# Altium PCB Control Panel PCB v2.PcbDoc (part 2 of 3)
Units mm, origin at the board's own origin, x right, y up, seen from the top; angles counter-clockwise.
Board outline 270.04 x 103.81 mm, 2 copper layers (Top Layer, Bottom Layer); 322 components, 214 nets, 925 pads, 431 vias.
Unrouted connection lines stored in the file: 76.
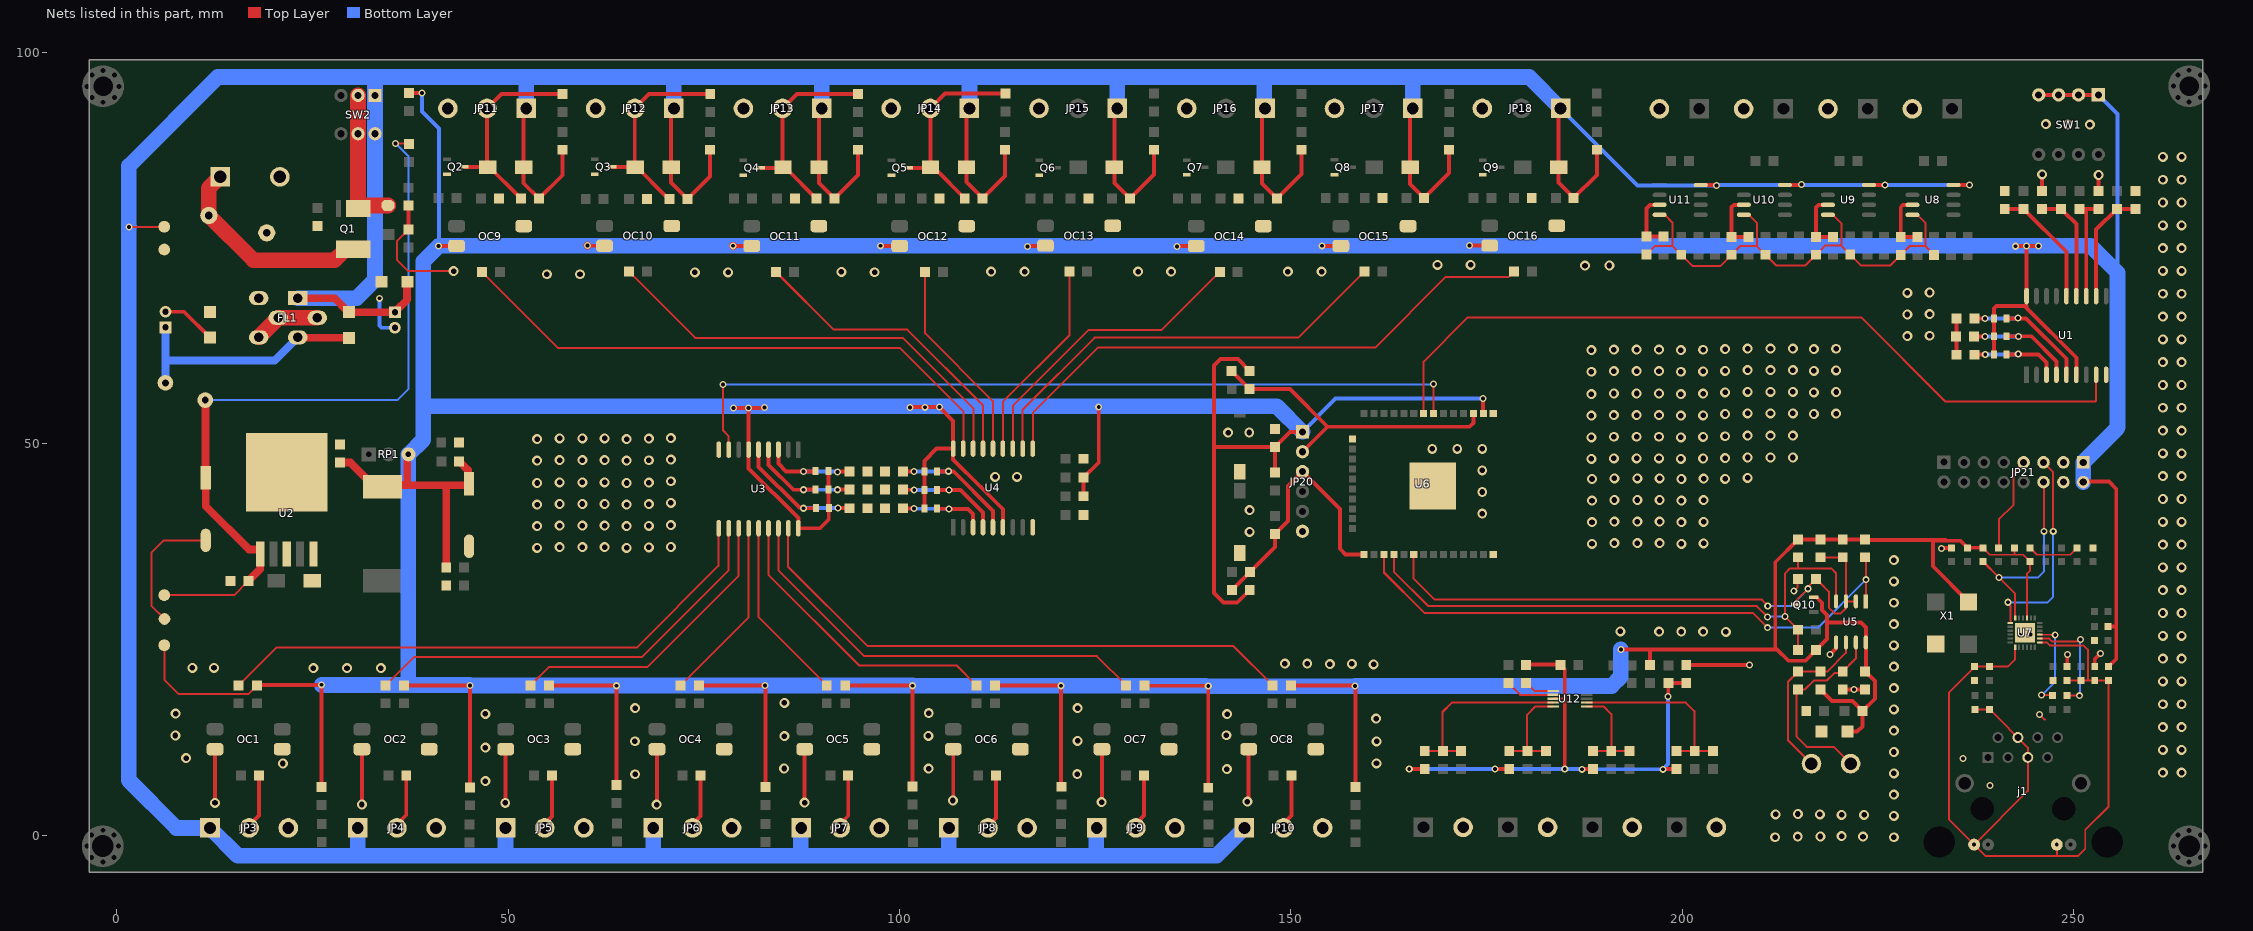
[diagram p2: the nets of this part, all layers, seen from the top]

## Via types
v1: diameter 1.27, hole 0.711, Top Layer to Bottom Layer, tented both sides, 304 vias
v2: diameter 0.9, hole 0.5, Top Layer to Bottom Layer, tented both sides, 127 vias

## Nets (pads, with @x,y where several pads share a name; then routed paths per layer and width w, separated by ;. In a path a pad name is that pad's centre, name@x,y a point inside that pad or via, vN(x,y) a via of type N, cw(c..) or ccw(c..) an arc to the next point about the centre after c; other vN are vias at no path point)
24V: C3.2 D1.2 D2.2 D3.2 D4.2 D5.2 D6.2 D7.2 D8.2 E4.1 FB1.2 FL1.1 JP3.1 JP4.1 JP5.1 JP6.1 JP7.1 JP8.1 JP9.1 JP10.1 JP11.1 JP12.1 JP13.1 JP14.1 JP15.1 JP16.1 JP17.1 JP18.1 R50.2 R51.2 R58.1 R59.1 R60.2 R63.2 R70.1 R71.1 R72.2 R75.2 R83.1 R84.1 R85.2 R88.2 R93.1 R94.1 SW2.1 SW2.6 TP3.1 U8.8 U9.8 U10.8 U11.8 | length 747.6
  Top Layer w0.254: v2(1.562,77.711) 6.058,77.711 TP3.1@6.071,77.724
  Top Layer w0.5: JP11.1@52.299,92.837 51.982,92.521 D1.2@51.982,85.319 51.982,83.273 R58.1@53.95,81.305 56.947,84.303 R50.2@56.947,87.554 ; JP12.1@71.178,92.837 70.829,92.488 D2.2@70.829,85.319 70.829,83.349 R59.1@72.898,81.28 75.768,84.15 R51.2@75.768,87.554 ; JP13.1@90.058,92.837 89.727,92.506 D3.2@89.727,85.319 89.727,83.298 R70.1@91.694,81.331 94.691,84.328 R60.2@94.691,87.554 ; JP14.1@108.937,92.837 108.574,92.474 D4.2@108.574,85.319 108.574,83.425 110.232,81.767 110.232,81.716 110.315,81.633 R71.1@110.366,81.633 ; R71.1@110.617,81.331 113.487,84.201 R63.2@113.487,87.554 ; JP15.1@127.816,92.837 127.446,92.466 D5.2@127.446,85.319 127.446,83.298 129.053,81.69 R83.1@129.163,81.581 ; R83.1@129.438,81.305 132.512,84.379 R72.2@132.512,87.554 ; JP16.1@146.696,92.837 146.293,92.434 D6.2@146.293,85.319 146.293,83.247 R84.1@148.209,81.331 151.333,84.455 R75.2@151.333,87.554 ; JP17.1@165.575,92.837 165.241,92.503 D7.2@165.241,85.319 165.241,83.197 R93.1@167.03,81.407 170.205,84.582 R85.2@170.205,87.554 ; JP18.1@184.455,92.837 184.215,92.597 D8.2@184.215,85.319 184.215,83.374 185.746,81.843 185.746,81.767 R94.1@185.868,81.645 ; R94.1@186.131,81.382 189.103,84.353 R88.2@189.103,87.554 ; U11.8@202.362,83.058 202.371,83.048 204.327,83.048 v2(204.368,83.007) ; U10.8@213.115,83.058 213.124,83.068 215.198,83.068 v2(215.24,83.109) ; U9.8@223.859,83.058 223.869,83.048 225.892,83.048 v2(225.908,83.033) ; U8.8@234.654,83.058 v2(236.703,83.058)
  Top Layer w1: FL1.1@23.081,68.573 27.834,68.573 29.318,67.089 29.38,67.089 29.606,66.864 29.606,66.802 35.482,66.802 35.49,66.794 35.517,66.794 35.785,67.061 35.785,67.088 37.091,68.394 C3.2@37.091,70.671
  Bottom Layer w0.5: JP18.1@184.455,92.837 194.285,83.007 v2(204.368,83.007) ; v2@204.394,83.033 v2(225.908,83.033) v2@236.677,83.033
  Bottom Layer w2: FL1.1@23.125,68.591 30.643,68.591 33,70.948 SW2.6@33,89.6 33,96.85 ; JP4.1@30.792,0.914 30.785,0.907 30.785,-2.642 ; JP5.1@49.672,0.914 49.657,0.9 49.657,-2.642 ; JP11.1@52.299,92.837 52.299,96.774 52.222,96.85 ; JP6.1@68.551,0.914 68.551,-2.62 68.529,-2.642 ; JP12.1@71.178,92.837 71.178,96.614 70.942,96.85 ; JP7.1@87.43,0.914 87.401,0.885 87.401,-2.642 ; JP13.1@90.058,92.837 90.058,96.85 ; JP8.1@106.31,0.914 106.31,-2.642 ; JP14.1@108.937,92.837 108.937,96.389 109.398,96.85 ; JP9.1@125.189,0.914 125.146,0.871 125.146,-2.642 ; JP15.1@127.816,92.837 127.816,96.447 128.219,96.85 ; JP10.1@144.069,0.914 140.513,-2.642 125.146,-2.642 ; JP16.1@146.696,92.837 146.609,92.924 146.609,96.85 ; JP17.1@165.575,92.837 165.575,96.73 165.456,96.85 ; JP18.1@184.455,92.837 180.442,96.85 165.456,96.85 ; 30.785,-2.642 49.657,-2.642 ; 30.785,-2.642 15.469,-2.642 JP3.1@11.913,0.914 7.62,0.914 1.524,7.01 1.524,77.673 v2(1.562,77.711) 1.549,77.724 1.549,85.496 12.903,96.85 33,96.85 ; 33,96.85 52.222,96.85 ; 49.657,-2.642 68.529,-2.642 ; 52.222,96.85 70.942,96.85 ; 68.529,-2.642 87.401,-2.642 ; 70.942,96.85 90.058,96.85 ; 87.401,-2.642 106.31,-2.642 ; 90.058,96.85 109.398,96.85 ; 106.31,-2.642 125.146,-2.642 ; 109.398,96.85 128.219,96.85 ; 128.219,96.85 146.609,96.85 ; 146.609,96.85 165.456,96.85
24VIN: JP2.1 Q1.5-8 RU1.2 | length 27
  Top Layer w2: JP2.1@13.203,84.099 11.76,82.657 RU1.2@11.76,79.146 17.45,73.457 27.854,73.457 29.026,74.628 29.026,74.745 29.126,74.845 Q1.5-8@30.226,74.845
24VSwitch: Q1.1-3 SW2.2 SW2.5 Z1.2 | length 18.4
  Top Layer w2: SW2.2@30.827,94.497 30.827,89.005 30.827,80.443 30.827,80.079 Q1.1-3@30.861,80.045 31.259,80.443 Z1.2@34.646,80.443
485_A: JP19.2 R100.2 R101.1 U5.6 | length 22
  Top Layer w0.254: JP19.2@216.51,9.119 213.512,12.116 213.512,19.577 R100.2@214.814,20.879 R101.1@217.66,20.879 217.67,20.889 218.527,20.889 220.915,23.278 U5.6@220.915,24.611
485_B: JP19.1 R99.2 R100.1 U5.7 | length 25.5
  Top Layer w0.254: JP19.1@221.51,9.119 219.351,11.278 215.9,11.278 214.579,12.598 214.579,18.358 214.824,18.603 215.682,18.603 216.84,19.761 218.491,19.761 219.431,20.701 220.327,20.701 222.185,22.559 U5.7@222.185,24.611
485_DE: Q10.3 R96.1 R97.1 R105.2 U5.2 U5.3 U6.30 | length 78.4
  Top Layer w0.254: U6.30@165.636,35.919 165.636,32.804 168.367,30.074 210.16,30.074 v2@211.046,29.188 ; Q10.3@214.507,29.436 214.525,29.454 214.525,29.918 216.201,31.594 216.201,31.844 R105.2@217.093,32.736 217.601,32.228 218.719,31.109 218.719,29.058 219.456,28.321 220.243,28.321 220.858,28.936 220.858,29.804 U5.3@220.915,29.861 ; R97.1@217.66,35.493 R96.1@220.505,35.493 220.915,35.083 U5.3@220.915,29.861 ; U5.2@222.185,29.861 U5.3@220.915,29.861
  Bottom Layer w0.254: v2(210.922,29.261) 213.868,29.261 v2(216.078,31.471)
485_DI: R98.1 R102.2 R104.1 U5.4 U6.28 | length 77.5
  Top Layer w0.254: U6.28@163.157,35.843 U6.28@163.17,35.83 ; U6.28@163.17,35.814 163.17,33.671 167.579,29.261 209.525,29.261 v2@211.05,27.735 ; R102.2@214.807,23.636 R104.1@214.807,26.236 v2(213.131,27.911) 213.131,33.426 213.766,34.061 214.814,34.061 ; R98.1@214.814,35.493 214.814,34.061 ; U5.4@219.645,29.861 219.645,33.466 219.05,34.061 214.814,34.061
  Bottom Layer w0.254: v2@210.666,27.906 213.126,27.906 v2(213.131,27.911)
  other v2: 210.896,27.881
485_RO: R95.1 U5.1 U6.27 | length 75.1
  Top Layer w0.254: U6.27@161.887,35.843 U6.27@161.9,35.83 ; U6.27@161.9,35.814 161.9,33.544 167.049,28.394 208.994,28.394 v2(210.896,26.492) ; R95.1@223.35,35.493 223.455,35.388 v2(223.455,32.624) U5.1@223.455,29.861
  Bottom Layer w0.254: v2@210.718,26.518 217.348,26.518 v2(223.455,32.624)
ADDR: R147.2 U12.1 | length 3.9
  Top Layer w0.254: R147.2@180.061,19.456 181.093,18.424 U12.1@183.499,18.424
ADDswitch1: R1.2 R5.1 U1.11 | length 14.6
  Top Layer w0.5: U1.11@252.882,68.855 252.882,77.368 R1.2@255.524,80.01 R5.1@257.912,80.01
ADDswitch2: R4.2 R?.2@250.749,80.01 U1.12 | length 13.6
  Top Layer w0.5: R?.2@250.749,80.01 251.612,80.01 ; U1.12@251.612,68.855 251.612,80.01 ; R4.2@253.187,80.01 251.612,80.01
ADDswitch3: R3.2 R?.2@248.361,80.01 U1.13 | length 14.4
  Top Layer w0.5: R3.2@245.974,80.01 R?.2@248.361,80.01 ; R?.2@248.412,80.01 248.412,79.959 248.746,79.625 248.797,79.625 250.342,78.08 U1.13@250.342,68.855
ADDswitch4: R2.2 R?.2@243.586,80.01 U1.14 | length 15.8
  Top Layer w0.5: R2.2@241.198,80.01 R?.2@243.586,80.01 249.072,74.524 U1.14@249.072,68.855
ALERT: R150.1 U12.2 | length 6.3
  Top Layer w0.254: R150.1@177.775,19.431 179.281,17.924 U12.2@183.499,17.924
AVDD: C9.1 C10.1 C11.1 j1.4 j1.5 j1.9 j1.12 L2.1 R111.1 R112.2 R113.1 R114.2 U7.1 U7.19 | length 111.7
  Top Layer w0.254: R111.1@237.388,16.053 239.249,16.053 R114.2@239.261,16.066 244.145,11.182 j1.5@244.145,9.923 244.145,5.639 j1.9@237.287,-1.219 ; U7.19@242.539,23.987 242.539,22.474 241.592,21.526 R112.2@239.236,21.526 237.376,21.526 C10.1@237.363,21.514 234.086,18.237 234.086,1.981 j1.9@237.287,-1.219 ; U7.1@245.659,24.607 246.589,24.607 246.99,24.206 251.282,24.206 251.809,23.679 251.809,19.774 ; j1.12@247.849,-1.219 247.849,-2.692 ; C11.1@249.142,19.774 R113.1@250.92,19.774 251.809,19.774 ; j1.9@237.287,-1.219 238.76,-2.692 247.849,-2.692 ; 247.849,-2.692 249.859,-2.692 250.52,-2.692 251.485,-1.727 251.485,0.66 254.476,3.651 L2.1@254.476,19.774 C9.1@252.698,19.774 251.809,19.774
CRS_DV: JP21.7 R116.1 | length 12.2
  Top Layer w0.254: R116.1@240.428,36.703 240.462,36.737 240.462,40.335 242.291,42.164 242.291,46.304 JP21.7@243.611,47.625
Din1: JP3.2 R15.2 | length 7.2
  Top Layer w0.5: JP3.2@16.913,0.914 16.913,1.246 18.161,2.494 R15.2@18.161,7.62
Din2: JP4.2 R16.2 | length 7.2
  Top Layer w0.5: JP4.2@35.792,0.914 35.792,1.362 36.982,2.553 R16.2@36.982,7.62
Din3: JP5.2 R23.2 | length 7.1
  Top Layer w0.5: JP5.2@54.672,0.914 54.672,1.456 55.601,2.385 R23.2@55.601,7.62
Din4: JP6.2 R24.2 | length 7.1
  Top Layer w0.5: JP6.2@73.551,0.914 73.551,1.456 74.549,2.454 R24.2@74.549,7.62
Din5: JP7.2 R31.2 | length 7.1
  Top Layer w0.5: JP7.2@92.43,0.914 92.43,1.456 93.447,2.472 R31.2@93.447,7.62
Din6: JP8.2 R32.2 | length 7.1
  Top Layer w0.5: JP8.2@111.31,0.914 111.31,1.173 112.344,2.207 R32.2@112.344,7.62
Din7: JP9.2 R39.2 | length 7.1
  Top Layer w0.5: JP9.2@130.189,0.914 130.189,1.456 131.216,2.483 R39.2@131.216,7.62
Din8: JP10.2 R40.2 | length 7.1
  Top Layer w0.5: JP10.2@149.069,0.914 149.069,1.456 150.089,2.475 R40.2@150.089,7.62
EMI_OUT: E3.1 F1.2 FB1.1 FL1.2 | length 31.7
  Top Layer w1: FL1.2@23.125,63.565 23.158,63.533 29.609,63.533 FB1.1@29.642,63.5
  Bottom Layer w1: F1.2@6.223,57.775 6.223,60.632 ; E3.1@6.223,64.837 6.223,60.632 ; FL1.2@23.125,63.565 20.191,60.632 6.223,60.632
EN: JP20.2 R106.1 R108.2 U6.3 | length 39.8
  Top Layer w0.5: R106.1@142.438,59.311 142.823,58.926 142.823,58.883 R108.2@144.731,56.975 149.876,56.975 154.679,52.172 ; JP20.2@151.48,48.973 154.679,52.172 ; U6.3@173.317,53.877 173.317,52.667 172.822,52.172 154.679,52.172
GND: C3.1 C16.2 C17.2 C18.2 C19.2 E4.2 FB2.2 FL1.3 JP2.2 JP3.3 JP4.3 JP5.3 JP6.3 JP7.3 JP8.3 JP9.3 JP10.3 JP11.3 JP12.3 JP13.3 JP14.3 JP15.3 JP16.3 JP17.3 JP18.3 JP22.2 JP23.2 JP24.2 JP25.2 JP26.2 JP27.2 JP28.2 JP29.2 OC1.2 OC2.2 OC3.2 OC4.2 OC5.2 OC6.2 OC7.2 OC8.2 Q2.2 Q3.2 Q4.2 Q5.2 Q6.2 Q7.2 Q8.2 Q9.2 R12.1 R53.1 R55.1 R62.1 R65.1 R74.1 R80.1 R87.1 R90.1 R131.2 R136.2 R141.2 R146.2 RU1.1 TP5.1 U8.4 U9.4 U10.4 U11.4 | length 124.6
  Top Layer w0.254: C19.2@195.453,74.168 196.571,75.286 198.73,75.286 ; U11.4@197.112,79.248 197.737,79.248 198.755,78.23 198.755,75.311 198.73,75.286 ; U10.4@207.865,79.248 208.49,79.248 209.525,78.213 209.525,75.336 209.474,75.286 ; U9.4@218.609,79.248 219.234,79.248 220.32,78.162 220.32,75.311 ; U8.4@229.404,79.248 230.029,79.248 231.089,78.188 231.089,75.311 231.038,75.26 ; R131.2@232.181,74.117 231.038,75.26 ; 198.73,75.286 R146.2@199.873,74.143 201.32,72.695 204.851,72.695 C18.2@206.299,74.143 207.442,75.286 209.474,75.286 ; 209.474,75.286 R141.2@210.617,74.143 211.988,72.771 215.722,72.771 218.059,75.108 218.059,75.162 218.208,75.311 220.32,75.311 ; 220.32,75.311 R136.2@221.463,74.168 222.885,72.746 226.543,72.746 C16.2@227.914,74.117 229.057,75.26 231.038,75.26
  Top Layer w0.5: v1(12.55,4.112) OC1.2@12.55,10.973 ; OC2.2@31.321,10.973 v1(31.321,3.909) v1@31.344,3.886 ; v1(49.632,4.115) 49.685,4.168 OC3.2@49.685,10.973 ; v1@68.936,3.861 69.014,3.94 OC4.2@69.014,10.973 ; v1@87.833,4.089 v1(87.887,4.143) OC5.2@87.887,10.973 ; v1(106.807,4.42) 106.863,4.476 OC6.2@106.863,10.973 ; v1(125.832,4.216) 125.86,4.244 OC7.2@125.86,10.973 ; OC8.2@144.605,10.973 144.605,4.468 v1@144.653,4.42
  Bottom Layer w0.5: v2(33.553,68.58) 33.553,65.104 33.846,64.811 E4.2@35.535,64.811
  other v1: 68.975,3.9 144.45,4.267
GND_F: C1.1 C2.1 C4.1 C5.1 C6.2 C7.2 C8.2 C9.2 C10.2 C11.2 C12.1 C13.1 C14.1 C15.2 E1.2 E2.2 E3.2 FB2.1 FB4.1 FL1.4 FL1.5 FL1.6 JP20.6 JP21.3 JP21.4 LED1.2 LED12.2 OC1.3 OC2.3 OC3.3 OC4.3 OC5.3 OC6.3 OC7.3 OC8.3 OC9.2 OC10.2 OC11.2 OC12.2 OC13.2 OC14.2 OC15.2 OC16.2 R2.1 R3.1 R4.1 R5.2 R6.1 R7.1 R8.2 R11.1 R13.2 R14.2 R47.1 R48.1 R49.2 R76.1 R77.1 R78.2 R99.1 R105.1 R124.2 R126.2 SW3.2 SW4.2 TP4.1 U1.9 U2.3 U2.5 U3.9 U4.9 U5.5 U6.1 U6.15 U6.38 U6.39 U7.25 VD1.1 X1.2 | length 85.6
  Top Layer w0.254: TP4.1@6.096,27.61 4.42,29.286 4.42,36.068 6.005,37.653 E1.2@11.361,37.653 ; R14.2@37.287,77.368 35.789,75.87 35.789,73.482 37.211,72.06 v1(43.028,72.06) ; v2(214.249,31.166) 214.732,31.648 214.732,32.661 R105.1@214.807,32.736 ; v2@235.777,9.79 235.792,9.804 v2(235.89,9.804) ; v2(239.319,6.325) v2@239.351,6.292 ; C15.2@244.435,36.703 245.325,35.814 249.558,35.814 C14.1@250.447,36.703 ; v2(245.618,15.418) 246.247,14.789 246.361,14.789
  Top Layer w0.5: E3.2@6.223,66.862 8.601,66.862 FB2.1@11.913,63.551 ; R14.2@37.287,77.368 R13.2@37.287,80.416 ; FB4.1@200.508,21.717 v2(208.61,21.717) ; v2(218.872,23.089) 219.635,23.852 219.635,24.601 U5.5@219.645,24.611 ; R99.1@220.505,18.593 v2(221.927,18.593) C6.2@223.35,18.593 ; v2(233.147,36.627) 233.185,36.665 234.378,36.665 C12.1@234.417,36.703 ; R8.2@235.026,61.366 R6.1@235.026,65.989 ; v2(243.154,25.578) 243.434,25.857 244.246,25.857 v2(244.475,25.629) ; R3.1@245.974,82.296 v1(245.974,84.404) ; C11.2@249.142,21.526 249.183,21.568 249.183,23.047 v2(249.225,23.089) ; C9.2@252.698,21.526 252.698,22.473 v2(253.416,23.19) 253.263,23.19 v2@253.187,23.266 ; R4.1@253.187,82.296 v1(253.187,84.328)
  Top Layer w2: FL1.5@18.125,63.591 FL1.6@20.625,66.091 FL1.4@25.625,66.091
  other v1: 211.861,-0.279 227.025,-0.279 214.757,-0.203 223.088,-0.203 217.653,-0.178 220.37,-0.127 227.025,2.444 220.37,2.591 223.241,2.591 211.938,2.642 217.576,2.642 214.782,2.692 227.025,5.168 47.092,6.883 66.218,7.772 122.707,7.798 227.025,7.892 261.391,7.976 263.804,7.976 141.834,8.433 103.708,8.484 85.268,8.509 21.209,9.144 160.934,9.169 8.865,9.83 227.025,10.615 261.391,10.889 263.804,10.889 47.092,11.176 160.96,11.963 66.192,11.989 122.758,12.04 85.293,12.649 103.683,12.675 7.493,12.725 141.757,12.751 227.025,13.339 261.391,13.803 263.804,13.803 160.884,14.884 141.859,15.443 47.092,15.494 7.518,15.519 103.734,15.57 227.025,16.063 66.218,16.231 122.758,16.231 261.391,16.716 263.804,16.716 85.293,16.891 227.025,18.786 261.391,19.629 263.804,19.629 25.121,21.336 29.413,21.336 33.731,21.336 9.652,21.361 12.421,21.361 227.025,21.51 160.579,21.819 154.991,21.844 157.785,21.869 149.225,21.895 152.095,21.895 261.391,22.543 263.804,22.543 227.025,24.234 261.391,25.456 263.804,25.456 205.562,25.959 197.053,25.984 199.873,25.984 202.667,25.984 192.1,26.035 227.025,26.957 261.391,28.37 263.804,28.37 227.025,29.681 261.391,31.283 263.804,31.283 227.025,32.405 261.391,34.197 263.804,34.197 227.025,35.128 53.696,36.703 65.126,36.703 67.97,36.754 56.566,36.779 59.487,36.779 62.332,36.779 70.79,36.805 261.391,37.11 263.804,37.11 188.468,37.211 199.898,37.211 202.743,37.262 191.338,37.287 194.259,37.287 197.104,37.287 144.729,38.735 53.696,39.463 65.126,39.463 67.97,39.514 56.566,39.539 59.487,39.539 62.332,39.539 70.79,39.599 188.468,39.971 199.898,39.971 202.743,40.022 261.391,40.024 263.804,40.024 191.338,40.047 194.259,40.047 197.104,40.047 174.447,41.072 144.729,41.504 53.696,42.223 65.126,42.223 67.97,42.274 56.566,42.299 59.487,42.299 62.332,42.299 70.79,42.443 188.468,42.731 199.898,42.731 202.743,42.782 191.338,42.807 194.259,42.807 197.104,42.807 261.391,42.937 263.804,42.937 174.447,43.832 53.696,44.983 65.126,44.983 67.97,45.034 56.566,45.06 59.487,45.06 62.332,45.06 70.79,45.204 188.468,45.491 199.898,45.491 205.486,45.517 202.743,45.542 191.338,45.568 194.259,45.568 197.104,45.568 208.356,45.644 112.217,45.771 115.011,45.771 261.391,45.851 263.804,45.851 174.447,46.592 53.696,47.837 65.126,47.837 67.97,47.887 56.566,47.913 59.487,47.913 62.332,47.913 70.79,47.964 188.392,48.057 199.822,48.057 202.667,48.108 191.262,48.133 194.183,48.133 197.028,48.133 205.486,48.158 208.356,48.235 211.277,48.235 214.122,48.235 261.391,48.764 263.804,48.764 168.059,49.352 171.253,49.352 174.447,49.352 53.696,50.597 65.126,50.597 67.97,50.648 56.566,50.673 59.487,50.673 62.332,50.673 70.79,50.724 188.392,50.817 199.822,50.817 202.667,50.868 191.262,50.893 194.183,50.893 197.028,50.893 205.486,50.952 208.356,51.029 211.277,51.029 214.122,51.029 141.986,51.41 144.678,51.435 261.391,51.678 263.804,51.678 188.392,53.577 199.822,53.577 202.667,53.628 191.262,53.653 194.183,53.653 197.028,53.653 205.486,53.797 216.814,53.797 219.659,53.848 208.356,53.873 211.277,53.873 214.122,53.873 261.391,54.591 263.804,54.591 188.392,56.337 199.822,56.337 202.667,56.388 191.262,56.413 194.183,56.413 197.028,56.413 205.486,56.557 216.814,56.557 219.659,56.608 208.356,56.634 211.277,56.634 214.122,56.634 261.391,57.505 263.804,57.505 188.392,59.19 199.822,59.19 202.667,59.241 191.262,59.267 194.183,59.267 197.028,59.267 205.486,59.317 216.814,59.317 219.659,59.368 208.356,59.394 211.277,59.394 214.122,59.394 261.391,60.418 263.804,60.418 188.392,61.951 199.822,61.951 202.667,62.001 191.262,62.027 194.183,62.027 197.028,62.027 205.486,62.078 216.814,62.078 219.659,62.128 208.356,62.154 211.277,62.154 214.122,62.154 261.391,63.332 263.804,63.332 228.752,63.746 231.597,63.796 261.391,66.245 263.804,66.245 228.752,66.506 231.597,66.556 261.391,69.159 263.804,69.159 228.752,69.266 231.597,69.317 54.94,71.653 59.182,71.653 73.863,71.882 78.105,71.882 96.825,71.907 92.583,71.958 111.709,71.984 115.976,71.984 130.48,71.984 134.696,71.984 149.606,71.984 153.924,71.984 261.391,72.072 263.804,72.072 187.579,72.746 190.678,72.771 168.732,72.847 172.974,72.847 261.391,74.986 263.804,74.986 261.391,77.899 263.804,77.899 261.391,80.812 263.804,80.812 261.391,83.726 263.804,83.726 261.391,86.639 263.804,86.639 252.07,90.754 249.25,90.78 246.456,90.83
GNDA: C20.1 C21.1 FB4.2 R147.1 R155.2 R156.2 R161.2 R162.2 U12.3 | length 72.4
  Top Layer w0.254: U12.3@183.499,17.424 184.988,17.424
  Top Layer w0.5: v2(165.125,8.458) R162.2@167.107,8.458 ; v2(176.073,8.458) R161.2@177.902,8.458 ; R147.1@180.035,21.793 184.379,21.793 C20.1@184.429,21.742 ; C20.1@184.633,21.793 184.633,21.539 C20.1@184.963,21.209 ; v2(184.988,8.433) 184.988,17.424 C20.1@184.988,21.158 ; v2(187.173,8.407) 187.198,8.433 188.595,8.433 R156.2@188.62,8.458 ; v2(197.536,8.407) 197.561,8.433 199.263,8.433 R155.2@199.288,8.458 ; v2(198.196,17.704) 198.209,17.716 198.209,19.393 C21.1@198.222,19.406 198.234,19.418 200.495,19.418 FB4.2@200.508,19.431
  Bottom Layer w0.5: v2(165.125,8.458) 165.151,8.433 v2(184.988,8.433) 185.001,8.42 187.16,8.42 v2(187.173,8.407) v2(197.536,8.407) 198.196,9.068 v2(198.196,17.704)
GP0MCPIN: R19.1 U3.10 | length 72.7
  Top Layer w0.254: R19.1@15.57,19.126 20.396,23.952 66.421,23.952 76.86,34.392 U3.10@76.86,39.444
GP0OUT: R52.2 U4.17 | length 73.9
  Top Layer w0.254: R52.2@46.655,71.963 56.363,62.255 100.025,62.255 108.153,54.127 U4.17@108.153,49.144
GP1MCPIN: R20.1 U3.11 | length 55.2
  Top Layer w0.254: R20.1@34.341,19.126 37.947,22.733 67.081,22.733 78.13,33.782 U3.11@78.13,39.12
GP1OUT: R54.2 U4.16 | length 56.8
  Top Layer w0.254: R54.2@65.589,71.825 65.614,71.825 65.964,71.476 65.964,71.45 73.889,63.525 100.406,63.525 109.423,54.508 U4.16@109.423,48.745
GP2MCPIN: R27.1 U3.12 | length 38.1
  Top Layer w0.254: R27.1@52.857,19.126 55.194,21.463 67.793,21.463 79.451,33.122 U3.12@79.451,38.817
GP2OUT: R61.2 U4.15 | length 39
  Top Layer w0.254: R61.2@84.446,71.713 84.472,71.713 84.734,71.45 84.734,71.425 91.592,64.567 100.99,64.567 110.668,54.889 U4.15@110.668,49.083
GP3MCPIN: R28.1 U3.13 | length 23.7
  Top Layer w0.254: R28.1@72.034,19.126 80.721,27.813 U3.13@80.721,39.196
GP3OUT: R64.2 U4.14 | length 26
  Top Layer w0.254: R64.2@103.276,71.404 103.276,64.11 111.938,55.448 U4.14@111.938,48.949
GP4MCPIN: R35.1 U3.14 | length 23.7
  Top Layer w0.254: U3.14@81.991,39.196 81.991,27.838 R35.1@90.703,19.126
GP4OUT: R73.2 U4.13 | length 26.4
  Top Layer w0.254: U4.13@113.208,49.01 113.208,55.347 121.717,63.856 R73.2@121.717,71.857
GP5MCPIN: R36.1 U3.15 | length 38.3
  Top Layer w0.254: U3.15@83.236,39.15 83.236,33.274 94.844,21.666 107.29,21.666 R36.1@109.83,19.126
GP5OUT: R79.2 U4.12 | length 38.8
  Top Layer w0.254: U4.12@114.478,49.008 114.478,54.839 124.181,64.541 133.477,64.541 140.386,71.45 140.411,71.45 140.533,71.572 R79.2@140.533,71.597
GP6MCPIN: R43.1 U3.16 | length 55.4
  Top Layer w0.254: U3.16@84.531,38.674 84.531,33.807 95.479,22.86 125.222,22.86 R43.1@128.956,19.126
GP6OUT: R86.2 U4.11 | length 55.4
  Top Layer w0.254: U4.11@115.739,49.349 115.739,54.372 124.917,63.551 150.952,63.551 R86.2@159.016,71.614
GP7MCPIN: R44.1 U3.17 | length 72.7
  Top Layer w0.254: U3.17@85.75,38.825 85.75,34.315 95.936,24.13 142.672,24.13 R44.1@147.676,19.126
GP7OUT: R89.2 U4.10 | length 73.9
  Top Layer w0.254: U4.10@117.069,48.957 117.069,54 125.349,62.281 160.757,62.281 169.748,71.272 177.775,71.272 R89.2@178.511,72.009
I2C2_A0: R76.2 SB9.2 U4.5 | length 17.2
  Top Layer w0.5: R76.2@100.457,46.456 v2(101.854,46.457) ; SB9.2@104.797,46.442 104.817,46.462 106.254,46.462 v2(106.274,46.482) 106.324,46.431 106.934,46.431 111.938,41.427 U4.5@111.938,39.323
  Bottom Layer w0.5: v2(101.854,46.457) 101.867,46.469 106.261,46.469 v2(106.274,46.482)
I2C2_A1: R77.2 SB8.2 U4.4 | length 14.8
  Top Layer w0.5: R77.2@100.457,44.145 100.482,44.12 101.854,44.12 v2(101.879,44.094) ; SB8.2@104.797,44.094 v2(106.299,44.094) 107.798,44.094 110.668,41.224 U4.4@110.668,39.323
  Bottom Layer w0.5: v2(101.879,44.094) v2(106.299,44.094)
I2C2_A2: R78.1 SB7.2 U4.3 | length 12.5
  Top Layer w0.5: R78.1@100.457,41.758 100.482,41.732 101.829,41.732 v2(101.854,41.707) ; SB7.2@104.797,41.706 104.809,41.694 106.286,41.694 v2(106.299,41.681) 108.737,41.681 109.398,41.021 U4.3@109.398,39.323
  Bottom Layer w0.5: v2(101.854,41.707) 101.867,41.694 106.286,41.694 v2(106.299,41.681)
I2C3_A0: R6.2 SB3.2 U1.5 | length 17.4
  Top Layer w0.5: R6.2@237.312,65.989 v2(238.658,65.989) ; SB3.2@241.452,66.015 243.916,66.015 249.072,60.858 U1.5@249.072,58.729
  Bottom Layer w0.5: v2@238.474,65.989 v2@242.69,65.989
  other v2: 242.875,66.04
I2C3_A1: R7.2 SB2.2 U1.4 | length 15.1
  Top Layer w0.5: R7.2@237.287,63.678 237.299,63.69 238.646,63.69 v2(238.658,63.703) ; SB2.2@241.452,63.729 242.951,63.729 244.602,63.729 247.802,60.528 U1.4@247.802,58.729
  Bottom Layer w0.5: v2(238.658,63.703) v2(242.951,63.703)
I2C3_A2: R8.1 SB1.2 U1.3 | length 12.8
  Top Layer w0.5: R8.1@237.312,61.366 237.325,61.379 238.697,61.379 v2(238.709,61.392) ; SB1.2@241.452,61.392 242.926,61.392 245.516,61.392 246.532,60.376 U1.3@246.532,58.729
  Bottom Layer w0.5: v2@238.572,61.417 v2@242.789,61.417
  other v2: 242.926,61.443
I2C_A0: R47.2 SB6.2 U3.5 | length 17.7
  Top Layer w0.5: U3.5@81.991,49.246 81.991,47.041 87.198,41.834 87.655,41.834 v2(87.732,41.758) SB6.2@89.339,41.758 ; v2(92.126,41.783) 92.138,41.77 93.612,41.77 R47.2@93.624,41.758
  Bottom Layer w0.5: v2(87.732,41.758) 87.744,41.77 92.113,41.77 v2(92.126,41.783)
I2C_A1: R48.2 SB5.2 U3.4 | length 15.2
  Top Layer w0.5: U3.4@83.261,49.246 83.261,47.295 86.436,44.12 v2(87.732,44.12) 87.745,44.133 89.275,44.133 SB5.2@89.288,44.146 ; v2(92.1,44.12) 92.113,44.133 93.612,44.133 R48.2@93.624,44.145
  Bottom Layer w0.5: v2(87.732,44.12) v2(92.1,44.12)
I2C_A2: R49.1 SB4.2 U3.3 | length 12.9
  Top Layer w0.5: U3.3@84.531,49.246 84.531,47.447 85.522,46.457 v2(87.732,46.457) 87.75,46.475 89.27,46.475 SB4.2@89.288,46.494 ; v2(92.1,46.406) 92.126,46.431 93.599,46.431 R49.1@93.624,46.456
  Bottom Layer w0.5: v2(87.732,46.457) 87.757,46.431 92.075,46.431 v2(92.1,46.406)
IN0: R158.1 R160.1 R162.1 U12.4 | length 24
  Top Layer w0.254: R162.1@167.107,10.744 R160.1@169.418,10.744 R158.1@171.729,10.744 ; R160.1@169.367,11.024 169.367,15.723 170.569,16.924 U12.4@183.499,16.924
IN1: R157.1 R159.1 R161.1 U12.5 | length 13
  Top Layer w0.254: R161.1@177.902,10.744 R159.1@180.238,10.744 R157.1@182.575,10.744 ; R159.1@180.188,10.744 180.188,15.367 181.245,16.424 U12.5@183.499,16.424
IN2: R152.1 R154.1 R156.1 U12.6 | length 12.7
  Top Layer w0.254: U12.6@187.799,16.424 189.976,16.424 190.957,15.443 R154.1@190.957,10.885 ; R156.1@188.62,10.744 R154.1@190.932,10.744 R152.1@193.243,10.744
IN3: R151.1 R153.1 R155.1 U12.7 | length 23.9
  Top Layer w0.254: U12.7@187.799,16.924 200.449,16.924 201.549,15.824 R153.1@201.549,10.744 ; R155.1@199.288,10.744 R153.1@201.6,10.744 R151.1@203.911,10.744
InputeINT: U3.8 U6.7 | length 103.1
  Top Layer w0.254: v2(77.47,57.582) 77.47,51.689 78.181,50.978 U3.8@78.181,49.246 ; v2(168.224,57.607) 168.224,53.889 U6.7@168.237,53.877
  Bottom Layer w0.254: v2(77.47,57.582) 77.483,57.594 168.212,57.594 v2(168.224,57.607)
IO0: JP20.3 R107.1 R109.2 R110.2 U6.25 | length 34.1
  Top Layer w0.254: U6.25@159.347,35.843 U6.25@159.36,35.856
  Top Layer w0.5: R107.1@142.463,31.32 R109.2@144.774,33.631 147.949,36.806 R110.2@147.949,38.451 149.631,40.133 149.631,44.584 JP20.3@151.48,46.433 156.261,41.652 156.261,36.576 156.994,35.843 U6.25@159.347,35.843
LED1: R122.1 U7.3 | length 11.8
  Top Layer w0.254: U7.3@245.659,25.607 245.672,25.594 247.608,25.594 v2(247.65,25.552) ; v2(245.923,17.882) 247.256,17.882 R122.1@247.32,17.818
  Bottom Layer w0.254: v2(245.923,17.882) 247.65,19.609 v2(247.65,25.552)
LED2: R123.1 U7.2 | length 14.3
  Top Layer w0.254: U7.2@245.659,25.107 246.901,25.107 247.294,24.714 250.472,24.714 250.726,24.968 v2(250.901,24.968) ; R123.1@249.174,17.818 249.187,17.805 v2(250.774,17.805)
  Bottom Layer w0.254: v2(250.774,17.805) 250.838,17.869 250.838,24.905 v2(250.901,24.968)
LM_In+: C1.2 E1.1 F1.1 LED2.1 TP1.1 U2.1 | length 99.3
  Top Layer w0.254: TP1.1@6.071,30.658 15.001,30.658 C1.2@16.822,32.478 ; v2(35.611,88.367) 37.262,88.367 LED2.1@37.338,88.29
  Top Layer w1: F1.1@11.303,55.575 11.332,55.546 11.332,45.682 E1.1@11.361,45.653 11.361,42.03 16.886,36.504 18.301,36.504 18.326,36.479 U2.1@18.326,35.938 18.327,35.937 18.327,33.983 C1.2@16.822,32.478
  Bottom Layer w0.254: F1.1@11.303,55.575 35.814,55.575 37.287,57.048 37.287,86.69 v2(35.611,88.367)
LM_Out+: C2.2 C6.1 C7.1 C8.1 C15.1 E2.1 FB3.1 JP20.1 JP21.1 JP21.2 L1.2 L2.2 LED3.1 LED13.1 OC9.4 OC10.4 OC11.4 OC12.4 OC13.4 OC14.4 OC15.4 OC16.4 Q10.2 R9.2 R10.2 R17.1 R18.1 R21.1 R22.1 R25.1 R26.1 R29.1 R30.1 R33.1 R34.1 R37.1 R38.1 R41.1 R42.1 R45.1 R46.1 R66.1 R67.1 R95.2 R96.2 R97.2 R98.2 R101.2 R102.1 R103.1 R106.2 R107.2 R115.1 R117.1 R121.1 R125.1 RP1.2 SB1.1 SB2.1 SB3.1 SB4.1 SB5.1 SB6.1 SB7.1 SB8.1 SB9.1 SW1.1 SW1.2 SW1.3 SW1.4 TP2.1 U1.6 U1.18 U3.6 U3.18 U4.6 U4.18 U5.8 U6.2 U7.9 X1.4 | length 1241.3
  Top Layer w0.254: TP2.1@6.071,24.257 6.071,19.837 7.874,18.034 16.84,18.034 R17.1@17.932,19.126 ; TP2.1@6.096,24.232 TP2.1@6.096,24.867 ; R117.1@238.424,36.703 239.313,35.814 243.572,35.814 C15.1@244.435,34.95 244.435,33.793 244.039,33.397 U7.9@244.039,27.727 ; 242.432,35.888 R121.1@242.432,36.703
  Top Layer w0.5: R17.1@17.932,19.126 17.97,19.164 26.124,19.164 v2(26.162,19.202) R21.1@26.162,6.121 ; R18.1@36.703,19.126 v2(45.11,19.126) 45.136,19.101 R22.1@45.136,6.096 ; LED3.1@37.338,94.818 v2(38.989,94.818) ; v2(41.123,75.26) OC9.4@43.411,75.26 ; R25.1@55.22,19.126 63.779,19.126 v2(63.83,19.075) R29.1@63.83,6.401 ; v2@60.173,75.286 OC10.4@62.317,75.286 ; R26.1@74.397,19.126 v2(82.804,19.126) 82.88,19.05 R30.1@82.88,6.147 ; v2@78.664,54.585 v2@82.804,54.585 ; v2@78.765,75.26 OC11.4@81.11,75.26 ; v2(80.721,54.578) U3.6@80.721,49.246 80.721,46.838 87.071,40.488 U3.18@87.071,39.196 89.819,39.196 90.965,40.343 SB6.1@90.965,41.758 90.939,41.784 90.939,46.508 90.914,46.534 SB4.1@90.914,46.494 ; R33.1@93.066,19.126 101.625,19.126 v2(101.676,19.075) R37.1@101.676,6.198 ; v2(97.587,75.286) 97.599,75.273 99.995,75.273 OC12.4@100.008,75.26 ; v2@101.261,54.67 v2(105.096,54.67) 106.858,52.908 U4.18@106.858,49.373 ; SB7.1@103.171,41.87 SB8.1@103.171,44.094 103.171,47.799 104.745,49.373 U4.18@106.858,49.373 ; U4.18@106.858,48.823 106.858,47.981 110.376,44.463 ; U4.18@106.858,48.87 U4.18@106.858,49.373 ; 110.401,44.488 110.376,44.463 ; R34.1@112.192,19.126 120.574,19.126 v2(120.625,19.075) 120.625,6.223 R38.1@120.675,6.172 ; U4.6@113.208,39.323 113.208,41.631 110.376,44.463 ; v2(116.332,75.209) 116.383,75.26 118.6,75.26 OC13.4@118.651,75.311 ; R67.1@123.52,43.29 R66.1@123.52,45.686 125.451,47.617 v2(125.451,54.686) ; R41.1@131.318,19.126 131.369,19.075 139.395,19.075 v2(139.446,19.025) R45.1@139.446,6.045 ; v2(135.433,75.209) 135.458,75.235 137.879,75.235 OC14.4@137.904,75.26 ; R106.2@144.724,59.311 143.227,60.808 140.995,60.808 140.157,59.969 140.157,49.479 ; R107.2@144.749,31.32 143.147,29.718 141.376,29.718 140.157,30.937 140.157,49.479 ; LED13.1@147.949,46.298 C8.1@147.949,49.588 ; R42.1@150.038,19.126 150.076,19.088 158.178,19.088 v2(158.217,19.05) 158.242,19.025 158.242,6.147 R46.1@158.267,6.121 ; JP20.1@151.48,51.513 149.874,51.513 C8.1@147.949,49.588 ; v2(154,75.286) 154.013,75.273 156.38,75.273 OC15.4@156.393,75.26 ; v2(172.796,75.336) 172.809,75.324 175.382,75.324 OC16.4@175.395,75.311 ; v2(174.549,55.753) 174.568,55.734 174.568,53.896 U6.2@174.587,53.877 ; v2(192.151,23.724) 195.885,23.724 ; FB3.1@195.885,21.717 195.885,23.724 ; 211.887,24.028 211.887,34.851 R98.2@214.814,37.779 R97.2@217.66,37.779 R96.2@220.505,37.779 R95.2@223.35,37.779 ; Q10.2@216.793,30.386 217.143,30.386 217.85,29.679 217.85,28.775 218.516,28.109 218.516,27.153 ; R101.2@217.66,18.593 219.133,17.12 221.744,17.12 R103.1@223.028,15.836 ; C7.1@221.132,13.208 222.352,13.208 223.028,13.884 R103.1@223.028,15.836 ; C6.1@223.35,20.879 223.455,20.984 U5.8@223.455,24.611 223.455,26.532 222.834,27.153 218.516,27.153 ; R95.2@223.35,37.677 233.629,37.677 ; C6.1@223.455,20.817 223.455,20.774 223.858,20.371 223.901,20.371 224.612,19.66 224.612,17.42 R103.1@223.028,15.836 ; X1.4@236.576,29.794 232.029,34.341 232.029,37.601 235.522,37.601 R115.1@236.42,36.703 R117.1@238.424,36.703 ; SB1.1@239.827,61.392 SB2.1@239.827,63.729 SB3.1@239.827,66.015 239.827,67.297 240.12,67.589 243.992,67.589 ; v2@242.646,75.235 v2(243.992,75.235) ; 243.992,67.335 250.342,60.985 U1.6@250.342,58.729 ; U1.18@243.992,68.855 v2(243.992,75.235) ; v2@245.332,75.235 v2(243.992,75.235) ; SW1.4@245.542,94.564 SW1.3@248.082,94.564 SW1.2@250.622,94.564 SW1.1@253.162,94.564 ; JP21.2@251.231,45.085 251.296,45.149 254.494,45.149 255.448,44.196 255.448,22.498 L2.2@254.476,21.526 ; R125.1@254.406,26.645 255.448,26.645 ; 140.157,49.479 140.266,49.588 C8.1@147.949,49.588 ; 195.885,23.724 212.115,23.724 213.563,22.276 215.733,22.276 R102.1@217.093,23.636 218.516,25.059 218.516,27.153
  Top Layer w1: C2.2@28.506,47.622 28.543,47.585 29.86,47.585 32.967,44.478 L1.2@33.967,44.478 34.224,44.736 37.116,44.736 37.116,48.485 RP1.2@37.269,48.638 ; L1.2@35.173,44.684 42.164,44.684 ; R10.2@42.095,34.16 42.095,44.615 42.164,44.684 ; R9.2@43.745,47.749 44.866,46.629 44.866,45.041 E2.1@45.016,44.891 45.016,44.834 44.866,44.684 42.164,44.684 ; v2(60.147,75.311) v2@60.173,75.286 ; v2(78.74,75.286) v2@78.765,75.26
  Bottom Layer w0.5: v2(38.989,94.818) 38.989,92.431 41.142,90.278 v2@41.142,75.279 ; v2(41.123,75.26) v2@41.161,75.298 ; JP20.1@151.48,51.513 155.72,55.753 v2(174.549,55.753) ; v2@172.758,75.298 v2(172.796,75.336) v2@172.822,75.311 ; SW1.4@245.542,94.564 SW1.3@248.082,94.564 SW1.2@250.622,94.564 SW1.1@253.162,94.564 255.6,92.126 255.6,71.857 ; 252.146,75.311 252.171,75.286
  Bottom Layer w1.5: v2(26.162,19.202) v2@26.2,19.164 ; 37.243,19.234 37.313,19.164 ; v2@45.072,19.164 v2(45.11,19.126) v2@45.136,19.101 ; v2@63.805,19.101 v2(63.83,19.075) v2@63.856,19.101 ; v2@82.779,19.101 v2(82.804,19.126) v2@82.829,19.101 ; v2@101.651,19.101 v2(101.676,19.075) ; v2@158.191,19.025 v2(158.217,19.05)
  Bottom Layer w2: v2@26.2,19.164 37.313,19.164 v2@45.072,19.164 ; 37.243,19.234 RP1.2@37.243,48.638 ; RP1.2@37.269,48.638 39.141,50.511 39.141,73.279 v2(41.123,75.26) ; 39.141,55.067 39.421,54.788 148.205,54.788 JP20.1@151.48,51.513 ; v2@41.161,75.298 v2@172.758,75.298 ; v2@45.136,19.101 v2@63.805,19.101 ; v2@63.856,19.101 v2@82.779,19.101 ; v2@82.829,19.101 v2@101.651,19.101 ; v2(101.676,19.075) v2(120.625,19.075) v2@139.135,19.075 ; v2(139.446,19.025) v2@158.191,19.025 ; v2(158.217,19.05) 190.979,19.05 192.151,20.222 v2(192.151,23.724) ; v2@172.822,75.311 252.146,75.311 ; JP21.2@251.231,45.085 JP21.1@251.231,47.625 255.575,51.968 ; 252.171,75.286 255.6,71.857 255.6,52.095
  other v2: 78.765,54.552 82.753,54.629 101.321,54.629 103.251,54.654 242.595,75.228 245.516,75.253
mcpINT: U1.8 U6.8 | length 103
  Top Layer w0.254: U6.8@166.967,53.877 166.967,60.49 172.618,66.142 222.86,66.142 233.629,55.372 252.734,55.372 252.882,55.521 U1.8@252.882,59.102
MDC: JP21.5 U7.13 | length 26.5
  Top Layer w0.254: v2(241.605,29.743) 241.605,29.569 241.919,29.254 U7.13@241.919,27.107 ; JP21.5@246.151,47.625 247.396,46.38 v2(247.396,38.811)
  Bottom Layer w0.254: v2(241.605,29.743) 246.685,29.743 247.396,30.455 v2(247.396,38.811)
MDIO: JP21.6 R117.2 U7.12 | length 26.4
  Top Layer w0.254: R117.2@238.424,34.95 v2(240.482,32.893) 242.539,30.835 U7.12@242.539,27.727 ; JP21.6@246.151,45.085 246.189,45.047 246.189,38.849 v2(246.228,38.811)
  Bottom Layer w0.254: v2(240.482,32.893) 245.44,32.893 246.228,33.68 v2(246.228,38.811)
NetC16_1: C16.1 R130.2 U8.3 | length 7.6
  Top Layer w0.5: U8.3@229.404,80.518 228.219,80.518 227.914,80.213 C16.1@227.914,76.403 R130.2@230.048,76.403
NetC17_1: C17.1 R135.2 U9.3 | length 7.6
  Top Layer w0.5: U9.3@218.609,80.518 218.599,80.508 217.414,80.508 217.094,80.188 C17.1@217.094,76.429 R135.2@219.253,76.429
NetC18_1: C18.1 R140.2 U10.3 | length 7.6
  Top Layer w0.5: U10.3@207.865,80.518 206.592,80.518 206.299,80.225 C18.1@206.299,76.429 R140.2@208.445,76.429
NetC19_1: C19.1 R145.2 U11.3 | length 7.6
  Top Layer w0.5: U11.3@197.112,80.518 197.102,80.508 195.901,80.508 195.453,80.061 C19.1@195.453,76.454 R145.2@197.618,76.454
NetD1_1: D1.1 JP11.2 LEDR1.2 Q2.3 R58.2 | length 26.6
  Top Layer w0.5: Q2.3@44.457,85.369 47.266,85.369 47.299,85.402 JP11.2@47.299,92.837 49.127,94.666 LEDR1.2@56.972,94.666 ; D1.1@47.382,85.319 47.607,85.319 51.236,81.69 51.279,81.69 51.621,81.349 R58.2@51.621,81.305
NetD2_1: D2.1 JP12.2 LEDR2.2 Q3.3 R59.2 | length 26.9
  Top Layer w0.5: Q3.3@63.33,85.369 D2.1@66.178,85.369 ; R59.2@70.612,81.28 70.227,81.665 70.108,81.665 66.454,85.319 D2.1@66.229,85.319 ; LEDR2.2@75.819,94.666 68.007,94.666 JP12.2@66.178,92.837 D2.1@66.178,85.37 ; D2.1@66.178,85.369 D2.1@66.229,85.319 ; D2.1@66.178,85.37 D2.1@66.229,85.319
NetD3_1: D3.1 JP13.2 LEDR3.2 Q4.3 R70.2 | length 26.7
  Top Layer w0.5: Q4.3@82.303,85.242 85.051,85.242 D3.1@85.127,85.319 ; R70.2@89.408,81.331 89.023,81.716 88.955,81.716 85.977,84.694 85.752,84.694 D3.1@85.127,85.319 ; LEDR3.2@94.691,94.691 86.912,94.691 JP13.2@85.058,92.837 85.058,85.388 D3.1@85.127,85.319
NetD4_1: D4.1 JP14.2 LEDR4.2 Q5.3 R71.2 | length 26.5
  Top Layer w0.5: Q5.3@101.226,85.242 103.897,85.242 D4.1@103.974,85.319 ; R71.2@108.087,81.431 108.087,81.575 107.946,81.716 104.968,84.694 104.599,84.694 D4.1@103.974,85.319 ; LEDR4.2@113.538,94.717 105.817,94.717 JP14.2@103.937,92.837 103.937,85.355 D4.1@103.974,85.319